# KiCad board Proyecto-KiCAD.kicad_pcb (continued)
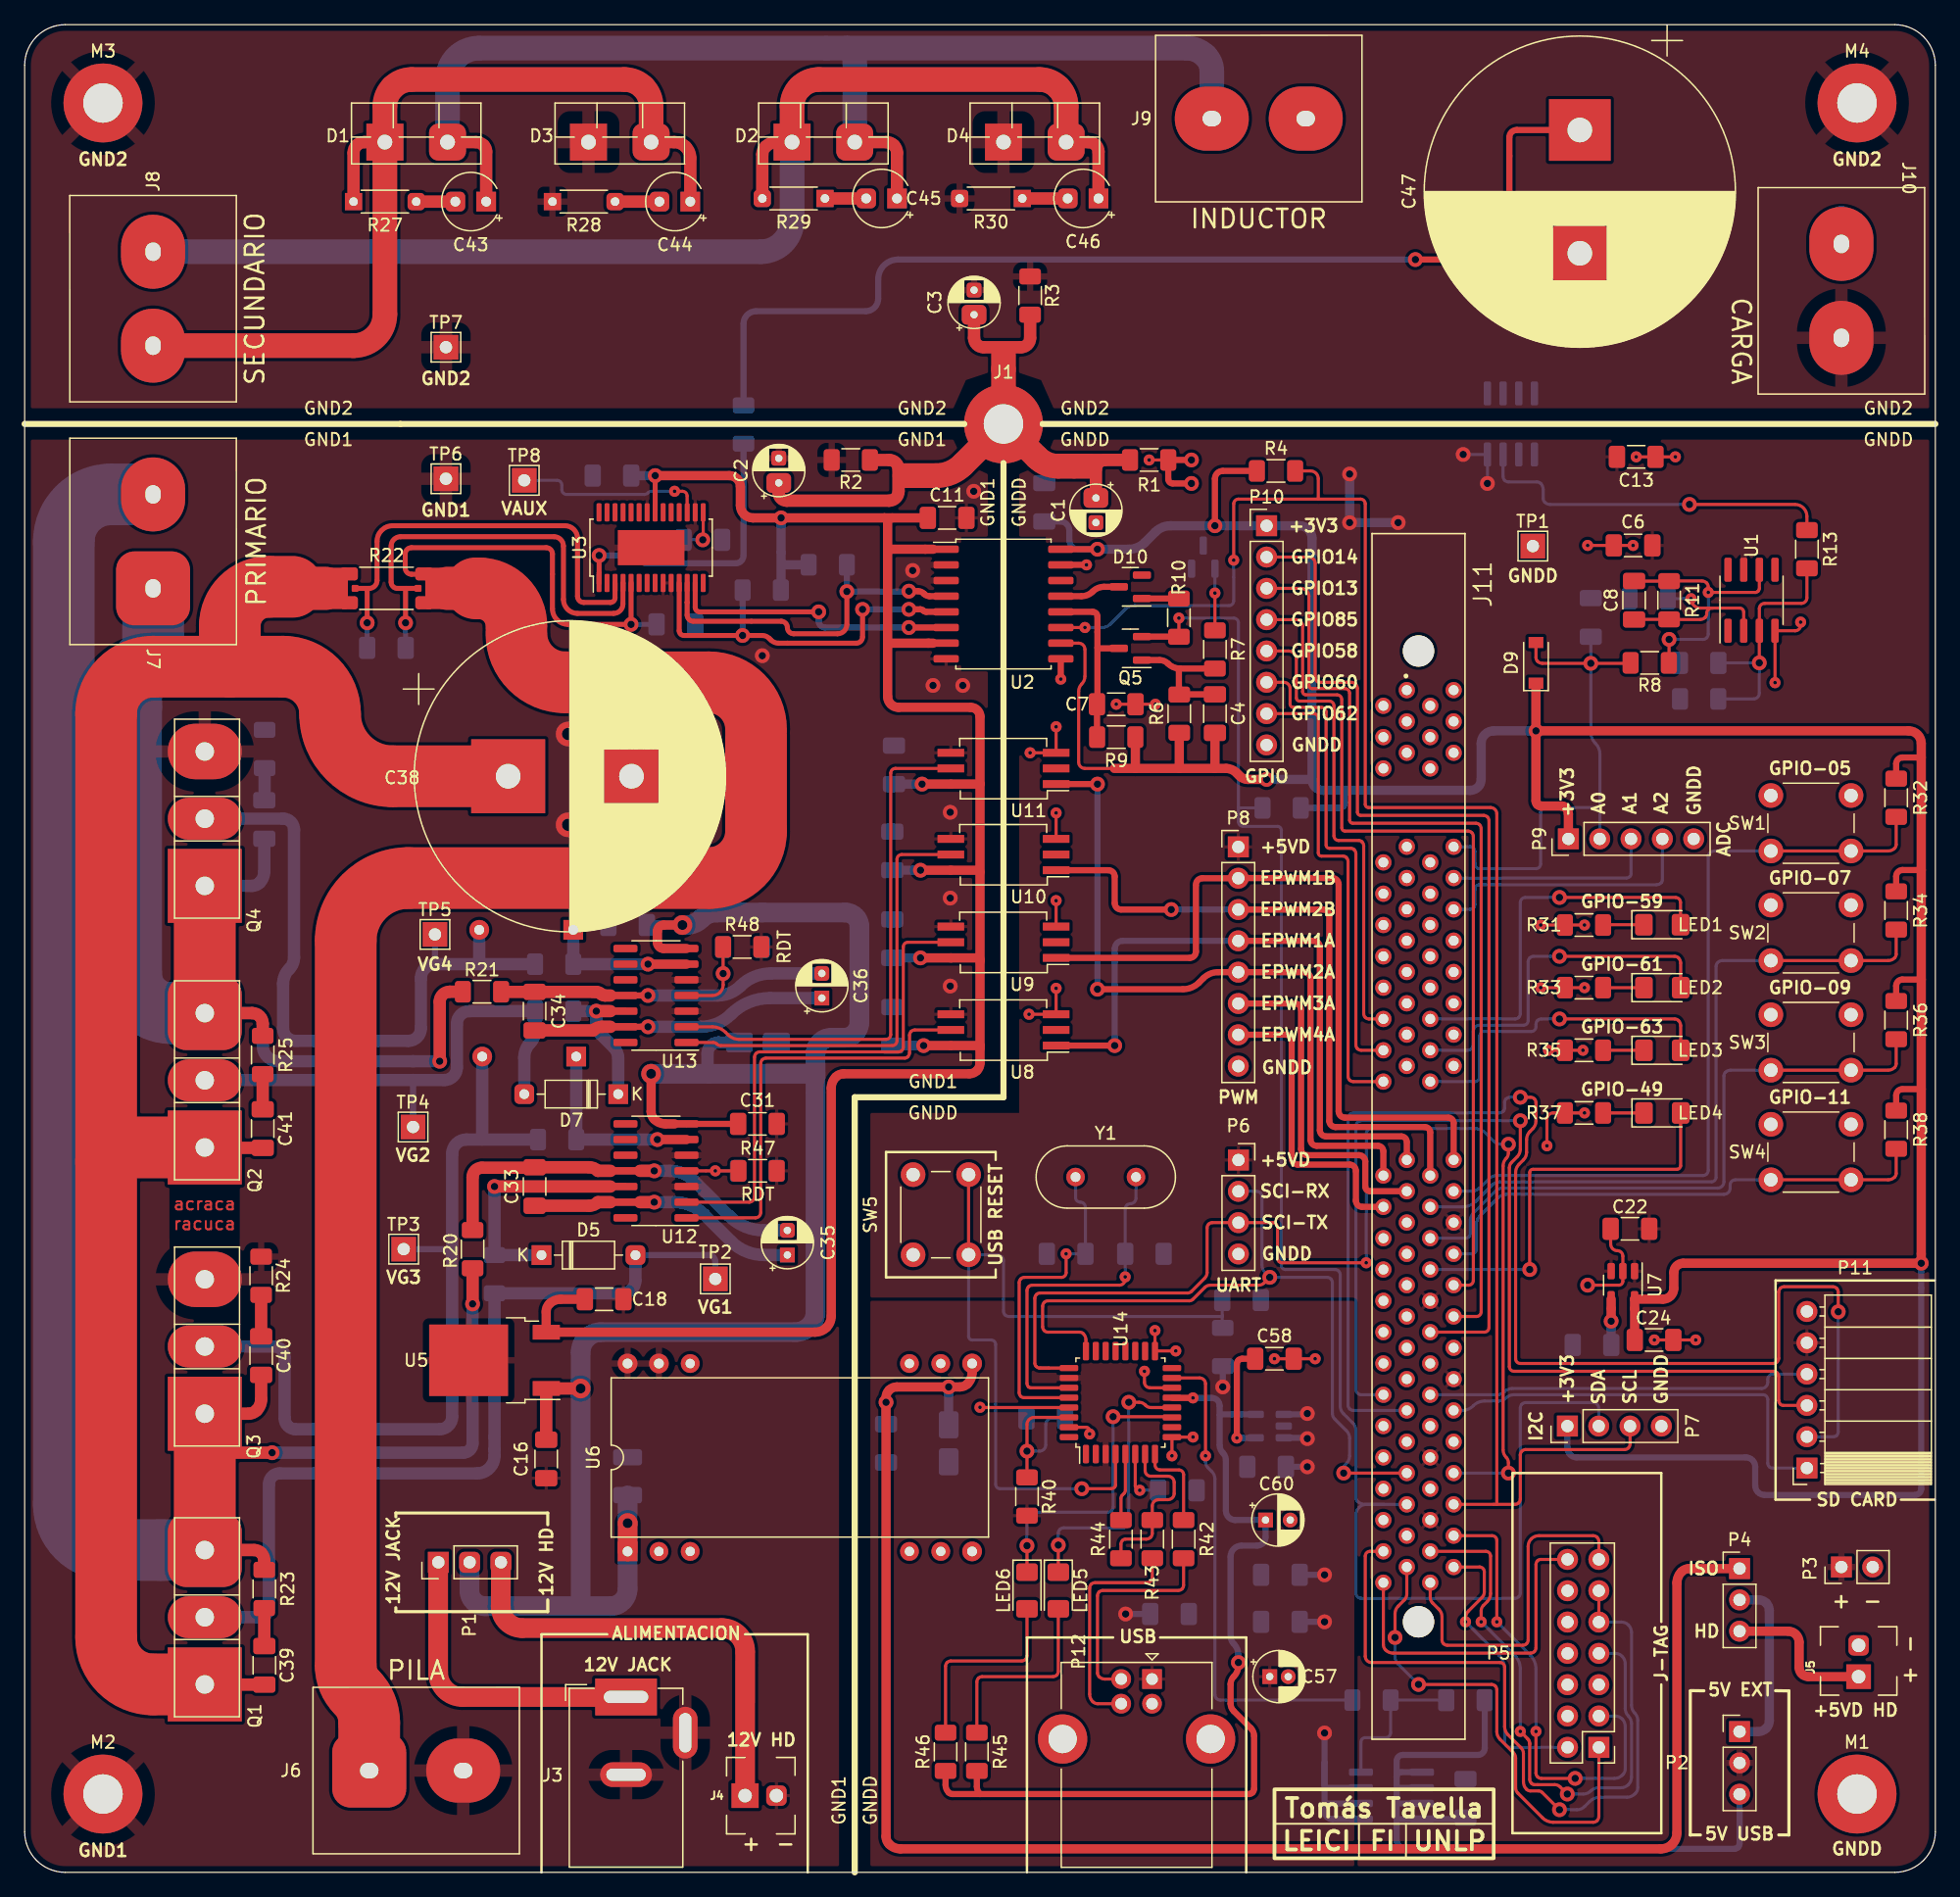
[diagram p0: board, top side]
## Footprints (pads in the part's own frame, mm; a bottom-side part is the same pattern mirrored in y, then rotated) (continued)
  rrect 0.609x3.384 smd: 1(-3.454,0) 4(3.429,0)
  rrect 1.417x1.05 smd: 1(-3.048,1.168) 4(3.023,-1.168)
  rrect 1.42x1.05 smd: 1(-3.048,-1.168) 4(3.023,1.168)
  rrect 0.559x0.559 smd: 2(-2.565,0) 3(2.541,0)
SO-14_3.9x8.65mm_P1.27mm
  rrect 1.95x0.6 smd: 1(-2.475,3.81) 2(-2.475,2.54) 3(-2.475,1.27) 4(-2.475,0) 5(-2.475,-1.27) 6(-2.475,-2.54) 7(-2.475,-3.81) 8(2.475,-3.81) 9(2.475,-2.54) 10(2.475,-1.27) 11(2.475,0) 12(2.475,1.27) 13(2.475,2.54) 14(2.475,3.81)
SOIC-8_3.9x4.9mm_P1.27mm
  rrect 1.95x0.6 smd: 1(-2.475,1.905) 2(-2.475,0.635) 3(-2.475,-0.635) 4(-2.475,-1.905) 5(2.475,-1.905) 6(2.475,-0.635) 7(2.475,0.635) 8(2.475,1.905)
SOIC-16W_7.5x10.3mm_P1.27mm
  rrect 2.05x0.6 smd: 1(-4.65,4.445) 2(-4.65,3.175) 3(-4.65,1.905) 4(-4.65,0.635) 5(-4.65,-0.635) 6(-4.65,-1.905) 7(-4.65,-3.175) 8(-4.65,-4.445) 9(4.65,-4.445) 10(4.65,-3.175) 11(4.65,-1.905) 12(4.65,-0.635) 13(4.65,0.635) 14(4.65,1.905) 15(4.65,3.175) 16(4.65,4.445)
SOT-23
  rrect 1.475x0.6 smd: 1(-0.938,0.95) 2(-0.938,-0.95) 3(0.938,0)
SOT-23-5
  rrect 1.325x0.6 smd: 1(-1.137,0.95) 2(-1.137,0) 3(-1.137,-0.95) 4(1.137,-0.95) 5(1.137,0.95)
SSO-6_6.8x4.6mm_P1.27mm_Clearance7mm
  rect 2.16x0.64 smd: 1(-4.27,1.27) 2(-4.27,0) 3(-4.27,-1.27) 4(4.27,-1.27) 5(4.27,0) 6(4.27,1.27)
SW_PUSH_6mm
  round 2 hole 1.1: 1(0,0) 1(6.5,0) 2(0,-4.5) 2(6.5,-4.5)
TE_5390213-1
  round 2.54 hole 2.54 unplated: (-39.37,0) (39.37,0)
  round 1.318 hole 0.81: 1(-36.195,-0.95) 2(-34.925,-2.85) 3(-33.655,-0.95) 4(-32.385,-2.85) 5(-31.115,-0.95) 6(-29.845,-2.85) 7(-23.495,-0.95) 8(-22.225,-2.85) 9(-20.955,-0.95) 10(-19.685,-2.85) 11(-18.415,-0.95) 12(-17.145,-2.85) 13(-15.875,-0.95) 14(-14.605,-2.85) 15(-13.335,-0.95) 16(-12.065,-2.85) 17(-10.795,-0.95) 18(-9.525,-2.85) 19(-8.255,-0.95) 20(-6.985,-2.85) 21(-5.715,-0.95) 22(-4.445,-2.85) 23(1.905,-0.95) 24(3.175,-2.85) 25(4.445,-0.95) 26(5.715,-2.85) 27(6.985,-0.95) 28(8.255,-2.85) 29(9.525,-0.95) 30(10.795,-2.85) 31(12.065,-0.95) 32(13.335,-2.85) 33(14.605,-0.95) 34(15.875,-2.85) 35(17.145,-0.95) 36(18.415,-2.85) 37(19.685,-0.95) 38(20.955,-2.85) 39(22.225,-0.95) 40(23.495,-2.85) 41(24.765,-0.95) 42(26.035,-2.85) 43(27.305,-0.95) 44(28.575,-2.85) 45(29.845,-0.95) 46(31.115,-2.85) 47(32.385,-0.95) 48(33.655,-2.85) 49(34.925,-0.95) 50(36.195,-2.85) 51(-36.195,2.85) 52(-34.925,0.95) 53(-33.655,2.85) 54(-32.385,0.95) 55(-31.115,2.85) 56(-29.845,0.95) 57(-23.495,2.85) 58(-22.225,0.95) 59(-20.955,2.85) 60(-19.685,0.95) 61(-18.415,2.85) 62(-17.145,0.95) 63(-15.875,2.85) 64(-14.605,0.95) 65(-13.335,2.85) 66(-12.065,0.95) 67(-10.795,2.85) 68(-9.525,0.95) 69(-8.255,2.85) 70(-6.985,0.95) 71(-5.715,2.85) 72(-4.445,0.95) 73(1.905,2.85) 74(3.175,0.95) 75(4.445,2.85) 76(5.715,0.95) 77(6.985,2.85) 78(8.255,0.95) 79(9.525,2.85) 80(10.795,0.95) 81(12.065,2.85) 82(13.335,0.95) 83(14.605,2.85) 84(15.875,0.95) 85(17.145,2.85) 86(18.415,0.95) 87(19.685,2.85) 88(20.955,0.95) 89(22.225,2.85) 90(23.495,0.95) 91(24.765,2.85) 92(26.035,0.95) 93(27.305,2.85) 94(28.575,0.95) 95(29.845,2.85) 96(31.115,0.95) 97(32.385,2.85) 98(33.655,0.95) 99(34.925,2.85) 100(36.195,0.95)
TestPoint_THTPad_2.0x2.0mm_Drill1.0mm
  rect 2x2 hole 1: 1(0,0)
TO-220F-2_Vertical
  rect 3x3 hole 1.2: 1(0,0)
  rrect 3x3 hole 1.2: 2(5.08,0)
TO-247-3_Vertical
  rect 6x6 hole 1.5: 1(0,0)
  oval 3.4x6 hole 1.5: 2(5.45,0)
  oval 4.5x6 hole 1.5: 3(10.9,0)
TO-247-3_Vertical#2
  rect 6x6 hole 1.5: 1(0,0)
  oval 3.4x6 hole 1.5: 2(5.45,0)
  rrect 6x6 hole 1.5: 3(10.9,0)
TO-252-2
  rect 3.05x2.75 smd: (0.425,1.525) (0.425,-1.525) (3.775,1.525) (3.775,-1.525)
  rect 2.2x1.2 smd: 1(-4.2,2.28) 3(-4.2,-2.28)
  rect 6.4x5.8 smd: 2(2.1,0)
USB_B_Lumberg_2411_02_Horizontal
  rect 1.6x1.6 hole 0.95: 1(0,0)
  round 1.6 hole 0.95: 2(0,-2.5) 3(2,-2.5) 4(2,0)
  round 4 hole 2.3: 5(4.86,4.75) 5(4.86,-7.25)

## Nets
+3V3: C4.1 C10.1 C24.1 D9.1 P7.1 P9.1 P10.1 R4.1 R5.1 R6.1 R9.2 R32.2 R34.2 R36.2 R38.2 U2.10 U2.16 U7.5
+5VD: C6.1 C13.1 C22.1 J11.77 J11.82 J11.87 J11.92 J11.96 P2.2 P3.1 P6.1 P8.1 P11.5 U1.7 U4.8 U7.1 U7.3
+5VP: C11.1 C15.1 C18.1 C25.1 C26.1 C27.1 C28.1 R15.1 R49.1 U2.1 U2.7 U3.21 U5.3 U8.6 U9.6 U10.6 U11.6
/Fuentes/+5VD Header: J5.1 P4.3
/Fuentes/+5VD ISO: C20.1 C21.1 P4.1 U6.13
/Fuentes/+5VUSB: C48.1 C49.1 P2.3 Q6.5 Q6.6 Q6.7 Q6.8
/Fuentes/VDDA Header: J4.1 P1.3
/Fuentes/VDDA Jack: J3.1 P1.1
/Placa DSP/USB-UART/3V3OUT: C61.2 U14.6
/Placa DSP/USB-UART/AVCC: C59.2 R40.1 U14.30
/Placa DSP/USB-UART/VCCIO: C60.1 R45.1 R46.1 U14.13 U15.5
GND1: C2.2 C11.2 C12.2 C14.2 C15.2 C16.2 C17.2 C18.2 C19.2 C25.2 C26.2 C27.2 C28.2 C29.2 C30.2 C31.1 C32.1 C38.2 J3.2 J3.3 J4.2 J6.2 M2.2 Q3.3 Q4.3 R2.2 R24.1 R26.1 R47.2 R48.2 TP6.1 U2.2 U2.3 U2.8 U3.9 U3.10 U3.16 U3.22 U3.29 U5.2 U6.23 U6.24 U8.4 U9.4 U10.4 U11.4 U12.3 U12.5 U13.3 U13.5
GND2: C3.2 C47.2 D3.1 D4.1 J10.2 M3.3 M4.4 R3.1 R28.1 R30.2 TP7.1
GNDD: C1.2 C5.2 C6.2 C7.2 C9.2 C10.2 C13.2 C20.2 C21.2 C22.2 C23.2 C24.2 C49.2 C50.2 C51.2 C52.2 C53.2 C54.1 C55.1 C56.1 C57.2 C58.2 C59.1 C60.2 C61.1 D11.3 J5.2 J11.6 J11.8 J11.10 J11.12 J11.14 J11.27 J11.37 J11.47 J11.56 J11.58 J11.60 J11.62 J11.64 M1.1 P3.2 P5.4 P5.8 P5.10 P5.12 P6.4 P7.4 P8.8 P9.5 P10.8 P11.6 P12.4 P12.5 R1.2 R12.2 R14.1 R31.2 R33.2 R35.2 R37.2 SW1.1 SW2.1 SW3.1 SW4.1 SW5.1 TP1.1 U1.4 U2.9 U2.15 U4.5 U4.6 U6.12 U7.2 U8.3 U9.3 U10.3 U11.3 U14.9 U14.14 U14.17 U14.29 U14.31 U15.2
VDDA: C16.1 C17.1 C19.1 C31.2 C32.2 P1.2 U5.1 U6.1 U12.7 U13.7
/Conversor/GATE1: D5.2 Q1.2 R16.2 TP2.1
/Conversor/GATE2: D7.2 Q2.2 R18.2 TP4.1
/Conversor/GATE3: D6.2 Q3.2 R17.2 TP3.1
/Conversor/GATE4: D8.2 Q4.2 R19.2 TP5.1
/Conversor/IFC+: C37.1 R22.2 U3.4
/Conversor/IFC-: C37.2 R22.3 U3.3
/Conversor/ILF+: J9.2 U4.1 U4.2
/Conversor/S1D3: C40.2 J7.1 Q1.3 Q3.1 R20.2 R23.1
/Conversor/S2D4: C42.2 J7.2 Q2.3 Q4.1 R21.2 R25.1
/Conversor/VFC: C12.1 J6.1 R22.1 U3.5
/Conversor/VLOAD/ILF-: C47.1 J10.1 R50.1 U4.3 U4.4
/Drivers y Optos//PWM3: J11.73 P8.2 U9.1
/Drivers y Optos//PWM4: J11.24 P8.5 U11.1
/Drivers y Optos/PWM1: J11.23 P8.4 U8.1
/Drivers y Optos/PWM2: J11.74 P8.3 U10.1
/Fuentes/extern +5VD: P2.1 P4.2
/Placa DSP/Socket Interfaces//SPI-STE: J11.89 P11.1
/Placa DSP/Socket Interfaces/ADCIN-A0: C5.1 D9.2 J11.57 P9.2 R8.2
/Placa DSP/Socket Interfaces/ADCIN-A1: J11.59 P9.3
/Placa DSP/Socket Interfaces/ADCIN-A2: J11.61 P9.4
/Placa DSP/Socket Interfaces/ADCIN-A3: J11.63
/Placa DSP/Socket Interfaces/ADCIN-A4: J11.65
/Placa DSP/Socket Interfaces/ADCIN-A5: J11.67
/Placa DSP/Socket Interfaces/ADCIN-A6: J11.69
/Placa DSP/Socket Interfaces/ADCIN-A7: J11.71
/Placa DSP/Socket Interfaces/ADCIN-B0: J11.7
/Placa DSP/Socket Interfaces/ADCIN-B1: J11.9
/Placa DSP/Socket Interfaces/ADCIN-B2: J11.11
/Placa DSP/Socket Interfaces/ADCIN-B3: J11.13
/Placa DSP/Socket Interfaces/ADCIN-B4: J11.15
/Placa DSP/Socket Interfaces/ADCIN-B5: J11.17
/Placa DSP/Socket Interfaces/ADCIN-B6: J11.19
/Placa DSP/Socket Interfaces/ADCIN-B7: J11.21
/Placa DSP/Socket Interfaces/EMU0: J11.100 P5.13
/Placa DSP/Socket Interfaces/EMU1: J11.50 P5.14
/Placa DSP/Socket Interfaces/EPWM3A: J11.25 P8.6
/Placa DSP/Socket Interfaces/EPWM4A: J11.26 P8.7
/Placa DSP/Socket Interfaces/EPWM5A: J11.28
/Placa DSP/Socket Interfaces/EPWM6A: J11.29
/Placa DSP/Socket Interfaces/eQEPA-1: J11.40
/Placa DSP/Socket Interfaces/eQEPB-1: J11.90
/Placa DSP/Socket Interfaces/eQEPI-1: J11.91
/Placa DSP/Socket Interfaces/eQEPS-1: J11.41
/Placa DSP/Socket Interfaces/GPIO-05: J11.75 R32.1 SW1.2
/Placa DSP/Socket Interfaces/GPIO-07: J11.76 R34.1 SW2.2
/Placa DSP/Socket Interfaces/GPIO-09: J11.78 R36.1 SW3.2
/Placa DSP/Socket Interfaces/GPIO-11: J11.79 R38.1 SW4.2
/Placa DSP/Socket Interfaces/GPIO-12: J11.33
/Placa DSP/Socket Interfaces/GPIO-13: J11.83 P10.3
/Placa DSP/Socket Interfaces/GPIO-14: J11.84 P10.2
/Placa DSP/Socket Interfaces/GPIO-15: J11.34
/Placa DSP/Socket Interfaces/GPIO-24: J11.35
/Placa DSP/Socket Interfaces/GPIO-25: J11.85
/Placa DSP/Socket Interfaces/GPIO-26: J11.36
/Placa DSP/Socket Interfaces/GPIO-27: J11.86
/Placa DSP/Socket Interfaces/GPIO-30: J11.44
/Placa DSP/Socket Interfaces/GPIO-34: J11.46
/Placa DSP/Socket Interfaces/GPIO-49: J11.80 LED4.2
/Placa DSP/Socket Interfaces/GPIO-58: J11.18 P10.5
/Placa DSP/Socket Interfaces/GPIO-59: J11.68 LED1.2
/Placa DSP/Socket Interfaces/GPIO-60: J11.20 P10.6
/Placa DSP/Socket Interfaces/GPIO-61: J11.70 LED2.2
/Placa DSP/Socket Interfaces/GPIO-62: J11.22 P10.7
/Placa DSP/Socket Interfaces/GPIO-63: J11.72 LED3.2
/Placa DSP/Socket Interfaces/GPIO-84: J11.31
/Placa DSP/Socket Interfaces/GPIO-85: J11.81 P10.4
/Placa DSP/Socket Interfaces/GPIO-86: J11.32
/Placa DSP/Socket Interfaces/I2CSCL: J11.95 P7.3 R4.2 U2.11
/Placa DSP/Socket Interfaces/I2CSDA: J11.45 P7.2 Q5.2 R5.2 R10.1
/Placa DSP/Socket Interfaces/SCI-RX: J11.43 P6.2 U14.24
/Placa DSP/Socket Interfaces/SCI-TX: J11.93 P6.3 U14.25
/Placa DSP/Socket Interfaces/SPI-CLK: J11.39 P11.2
/Placa DSP/Socket Interfaces/SPI-SIMO: J11.38 P11.3
/Placa DSP/Socket Interfaces/SPI-SOMI: J11.88 P11.4
/Placa DSP/Socket Interfaces/TCK: J11.48 P5.9 P5.11
/Placa DSP/Socket Interfaces/TDI: J11.97 P5.3
/Placa DSP/Socket Interfaces/TDO: J11.98 P5.7
/Placa DSP/Socket Interfaces/TMS: J11.49 P5.1
/Placa DSP/Socket Interfaces/TRSTn: J11.99 P5.2
/Placa DSP/USB-UART/DM: P12.2 R42.1
/Placa DSP/USB-UART/DP: P12.3 R43.1
/Placa DSP/USB-UART/PWREN#: R39.1 U14.15
/Placa DSP/USB-UART/RESET#: C50.1 R41.1 SW5.2 U14.4
/Placa DSP/USB-UART/RSTOUT#: R44.2 U14.5
/Placa DSP/USB-UART/RXLED#: LED6.1 U14.11
/Placa DSP/USB-UART/TXLED#: LED5.1 U14.12
/Placa DSP/USB-UART/U5V: C53.1 C54.2 C55.2 C56.2 C57.1 P12.1 Q6.1 Q6.2 Q6.3 R40.2 R41.2 U14.3 U14.26 U15.1 U15.3
/Placa DSP/USB-UART/USBDM: R42.2 U14.8
/Placa DSP/USB-UART/USBDP: R43.2 R44.1 U14.7
/Placa DSP/USB-UART/XTIN: C51.1 U14.27 Y1.1
/Placa DSP/USB-UART/XTOUT: C52.1 U14.28 Y1.2
Net-(C1-Pad1): C1.1 C2.1 C3.1 J1.1 R1.1 R2.1 R3.2
Net-(C4-Pad2): C4.2 Q5.1 R6.2 R7.1
Net-(C7-Pad1): C7.1 Q5.3 R9.1 U2.12
Net-(C8-Pad1): C8.1 R11.1 R14.2 U1.2
Net-(C8-Pad2): C8.2 R8.1 R11.2 U1.6
Net-(C9-Pad1): C9.1 R12.1 R13.2 U1.3
Net-(C14-Pad1): C14.1 U3.15
Net-(C23-Pad1): C23.1 U7.4
Net-(C29-Pad1): C29.1 R47.1 U12.4
Net-(C30-Pad1): C30.1 R48.1 U13.4
Net-(C33-Pad1): C33.1 C35.1 U12.13
Net-(C33-Pad2): C33.2 C35.2 R20.1 U12.11
Net-(C34-Pad1): C34.1 C36.1 U13.13
Net-(C34-Pad2): C34.2 C36.2 R21.1 U13.11
Net-(C38-Pad1): C38.1 C39.2 C41.2 Q1.1 Q2.1 R22.4
Net-(C39-Pad1): C39.1 R23.2
Net-(C40-Pad1): C40.1 R24.2
Net-(C41-Pad1): C41.1 R25.2
Net-(C42-Pad1): C42.1 R26.2
Net-(C43-Pad1): C43.1 C45.1 D1.2 D2.2 J9.1
Net-(C43-Pad2): C43.2 R27.2
Net-(C44-Pad1): C44.1 D1.1 D3.2 J8.1 R27.1
Net-(C44-Pad2): C44.2 R28.2
Net-(C45-Pad2): C45.2 R29.1
Net-(C46-Pad1): C46.1 D2.1 D4.2 J8.2 R29.2
Net-(C46-Pad2): C46.2 R30.1
Net-(C48-Pad2): C48.2 Q6.4 R39.2
Net-(C58-Pad1): C58.1 U15.4
Net-(D5-Pad1): D5.1 R16.1 U12.12
Net-(D6-Pad1): D6.1 R17.1 U12.6
Net-(D7-Pad1): D7.1 R18.1 U13.12
Net-(D8-Pad1): D8.1 R19.1 U13.6
Net-(D10-Pad1): D10.1 R10.2
Net-(D10-Pad3): D10.3 U2.13
Net-(D11-Pad1): D11.1 R7.2
Net-(LED1-Pad1): LED1.1 R31.1
Net-(LED2-Pad1): LED2.1 R33.1
Net-(LED3-Pad1): LED3.1 R35.1
Net-(LED4-Pad1): LED4.1 R37.1
Net-(LED5-Pad2): LED5.2 R45.2
Net-(LED6-Pad2): LED6.2 R46.2
Net-(R13-Pad1): R13.1 U4.7
Net-(R15-Pad2): R15.2 U2.4 U3.12
Net-(R49-Pad2): R49.2 U2.5 U3.11
Net-(R50-Pad2): R50.2 U3.1
Net-(TP8-Pad1): TP8.1 U3.17
Net-(U2-Pad6): U2.6 U3.13
Net-(U10-Pad5): U10.5 U13.1
Net-(U11-Pad5): U11.5 U13.2
Net-(U12-Pad1): U8.5 U12.1
Net-(U12-Pad2): U9.5 U12.2

Pads without a net: D10 2; D11 2; J11 1 2 3 4 5 16 30 42 51 52 53 54 55 66 94; P5 5 6; U1 1 5 8; U2 14; U3 2 6 7 8 14 18 19 20 23 24 25 26 27 28; U6 2 3 10 11 14 15 22; U8 2; U9 2; U10 2; U11 2; U12 8 9 10 14; U13 8 9 10 14; U14 1 2 10 16 18 19 20 21 22 23 32

## Via types
v1: diameter 1.2, hole 0.6, Top to Bottom, 94 vias
v2: diameter 2, hole 1, Top to Bottom, 4 vias
v3: diameter 1.6, hole 0.8, Top to Bottom, 4 vias
v4: diameter 0.9, hole 0.3, Top to Bottom, 56 vias

## Routing (per net, layer and track width the routed paths; a pad name or vN(x,y) marks a point on that pad's centre or on a via; arc(x,y) is an arc through that point)
+3V3: length 305.6
  Top w0.25: U2.10 85.47,99.7 arc(85.83,99.55) 85.98,99.19 85.98,97.01 arc(85.91,96.67) 85.73,96.39 arc(85.54,96.11) 85.47,95.78 85.47,90.04 arc(85.62,89.68) 85.98,89.54 88.37,89.54
  Top w0.5: 151.77,61.81 151.77,63.02 arc(151.91,63.38) 152.27,63.53 153.92,63.53 ; 153.92,81.29 152.27,81.29 arc(151.91,81.15) 151.77,80.79 151.77,79.58 ; 153.92,90.42 152.27,90.42 arc(151.91,90.28) 151.77,89.92 R32.2 ; R4.1 97.16,113.67 arc(96.71,113.48) 96.52,113.03 v1(96.52,109.22) ; 151.77,70.7 151.77,71.91 arc(151.91,72.27) 152.27,72.42 153.92,72.42 ; U2.16 v1(87,107.32) ; 130.56,43.21 arc(130.56,43.19) C24.1
  Top w0.75: R6.1 93.63,89.54 ; v1(122.56,92.58) 122.56,86.92 arc(122.59,86.75) 122.68,86.61 arc(122.82,86.52) 122.99,86.49 124.66,86.49 arc(124.83,86.45) 124.97,86.36 arc(125.13,86.12) 125.19,85.84 P9.1 ; v1(122.56,92.58) 152.78,92.58 arc(153.5,92.29) 153.8,91.57 v1(153.8,49.4) 134.49,49.4 arc(133.95,49.18) 133.73,48.64 133.73,47.37 arc(133.47,46.75) 132.85,46.49 U7.5 130.56,45.72 130.56,43.21 ; v1(122.56,92.58) D9.1 ; R9.2 90.07,89.54 ; v1(100.71,88.65) 99.19,88.65 arc(98.84,88.72) 98.54,88.92 98.28,89.18 arc(97.88,89.44) 97.41,89.54 88.37,89.54 ; C4.1 96.52,89.54
  Bottom w0.5: R5.1 106.65,86.33 arc(106.94,86.45) 107.06,86.74 107.06,87.76 ; C10.1 83.99,109.56 arc(84.5,109.35) 84.71,108.84 84.71,108.08 arc(84.93,107.54) 85.47,107.32 v1(87,107.32) ; P7.1 125.11,34.41 arc(125.33,33.88) 125.86,33.66 139.57,33.66 arc(140.11,33.43) 140.34,32.89 140.34,31.37 arc(140.56,30.83) 141.1,30.61 153.29,30.61 arc(153.65,30.76) 153.8,31.12 v1(153.8,49.4)
  Bottom w0.75: 104.39,88.65 v1(100.71,88.65) ; 104.39,88.65 104.39,108.2 arc(104.1,108.92) 103.38,109.22 P10.1 92.92,109.22 arc(92.26,109.09) 91.69,108.71 90.84,107.85 arc(90.24,107.46) 89.54,107.32 v1(87,107.32) ; 104.39,88.65 arc(104.65,88.02) 105.28,87.76 117.22,87.76 arc(117.85,88.02) 118.11,88.65 118.11,91.57 arc(118.41,92.29) 119.13,92.58 v1(122.56,92.58)
+5VD: length 12.2
  Bottom w0.25: U4.8 v1(116.65,115) ; 118.62,115 v1(118.62,112.65)
  Bottom w0.75: v1(111.38,109.47) v1(107.44,109.47) v1(107.44,113.41)
+5VP: length 188.6
  Top w0.25: 77.16,81.28 arc(77.33,81.25) 77.47,81.15 ; 77.16,74.17 arc(77.33,74.13) 77.47,74.04
  Top w0.4: v1(51.13,113.28) 51.13,110.49
  Top w0.5: 42.29,43.82 U5.3 ; U2.1 73.03,107.32 ; U2.7 73.28,99.7
  Top w0.75: v1(72.64,81.28) U10.6 77.16,81.28 ; C11.1 69.72,109.86 ; 77.47,67.06 77.47,88.27 ; 77.47,67.06 77.47,65.64 arc(77.4,65.31) 77.22,65.02 arc(76.93,64.84) 76.6,64.77 66.4,64.77 arc(66.07,64.7) 65.79,64.52 arc(65.5,64.09) 65.41,63.6 65.41,45.12 arc(65.31,44.62) 65.02,44.2 arc(64.6,43.91) 64.1,43.82 42.3,43.82 U5.3 ; 77.47,67.06 U8.6 v1(72.9,67.06) ; 69.72,109.86 v1(61.34,109.86) 59.05,109.86 arc(58.34,110.15) 58.04,110.87 58.04,112.4 arc(57.78,113.02) 57.15,113.28 v1(51.13,113.28) ; 69.72,109.86 arc(69.9,109.78) 69.98,109.6 69.98,107.06 ; 77.47,88.27 77.47,93.73 arc(77.25,94.26) 76.71,94.49 70.87,94.49 arc(70.24,94.75) 69.98,95.38 69.98,99.7 ; 77.47,88.27 U11.6 v1(72.77,88.27) ; 77.16,74.17 U9.6 v1(72.64,74.17) ; 73.66,107.32 70.23,107.32 arc(70.05,107.24) 69.98,107.06 ; 69.98,99.7 69.98,107.06 ; 69.98,99.7 73.66,99.7 ; 42.29,43.82 42.29,45.49 arc(42.36,45.82) 42.55,46.1 arc(42.97,46.38) 43.46,46.48 C18.1
  Bottom w0.75: v1(61.34,109.86) 61.34,104.05 ; 61.4,106.05 R15.1 ; v1(72.64,81.28) 70.36,81.28 arc(70.36,81.28) C27.1 ; C15.1 v1(51.13,113.28) ; v1(72.64,74.17) C26.1 ; v1(72.77,88.27) 70.5,88.27 arc(70.5,88.26) C28.1 ; v1(72.9,67.06) 70.37,67.06 arc(70.37,67.05) C25.1
/Fuentes/+5VD Header: length 12.6
  Top w0.75: P4.3 143,19.56 arc(143.63,19.3) 143.89,18.67 143.89,16.64 arc(144.11,16.1) 144.65,15.88 148.72,15.88
/Fuentes/+5VD ISO: length 140.8
  Top w0.75: P4.1 134.98,24.64 arc(134.65,24.57) 134.37,24.38 arc(134.08,23.96) 133.99,23.46 133.99,3.21 arc(133.89,2.71) 133.6,2.29 arc(133.18,2) 132.68,1.91 71.02,1.91 arc(70.53,2) 70.1,2.29 arc(69.92,2.57) 69.85,2.9 v1(69.85,38.13) 69.85,38.5 arc(69.92,38.83) 70.1,39.12 arc(70.39,39.3) 70.72,39.37 v1(74.93,39.37) 75.84,39.37 arc(76.17,39.44) 76.45,39.62 arc(76.73,40.04) 76.83,40.53 U6.13
  Bottom w0.75: C20.1 v1(69.85,38.13) ; C21.1 v1(74.93,39.37)
/Fuentes/+5VUSB: length 62.5
  Bottom w0.5: 111.25,4.32 Q6.8 116.71,4.32 C49.1 ; 111.25,4.32 111.25,2.67 arc(111.48,2.13) 112.01,1.91 138.63,1.91 arc(138.8,1.94) 138.94,2.03 arc(139.03,2.17) 139.06,2.34 P2.3 ; 111.25,4.32 111.25,5.59 ; C48.1 118.4,10.07 arc(118.24,9.69) 117.86,9.53 111.76,9.53 arc(111.4,9.38) 111.25,9.02 111.25,7.75 ; Q6.6 111.25,6.86 ; 111.25,6.86 111.25,7.75 ; 111.25,6.86 111.25,5.59 ; 111.25,7.75 arc(111.36,8.02) 111.63,8.13 Q6.5 ; Q6.7 111.25,5.59
/Fuentes/VDDA Header: length 37
  Top w1.6: P1.3 38.61,21.55 arc(39.12,20.32) 40.34,19.81 56.54,19.81 arc(57.87,19.26) 58.43,17.93 ; 58.43,17.78 J4.1
/Fuentes/VDDA Jack: length 25.3
  Top w1: P1.1 33.53,25.13
  Top w1.6: J3.1 35.52,14.22 arc(34.11,14.81) 33.53,16.21 33.53,25.13
/Placa DSP/USB-UART/3V3OUT: length 4.6
  Top w0.25: U14.6 90.06,31.35 arc(90.17,31.09) v4(90.42,30.99)
  Bottom w0.25: C61.2 v4(90.42,30.99)
/Placa DSP/USB-UART/AVCC: length 13.3
  Top w0.25: 81.28,32.03 v1(81.28,34.16) 81.28,36.32 arc(81.45,36.73) 81.86,36.9 U14.30
  Bottom w0.25: v1(81.28,34.16) 82.3,34.16 arc(82.66,34.31) 82.8,34.67 82.8,36.32 arc(82.95,36.68) 83.31,36.83 C59.2
/Placa DSP/USB-UART/VCCIO: length 73.3
  Top w0.25: 93.05,38.48 U14.13
  Top w0.5: R46.1 74.68,7.09 arc(74.74,6.76) 74.93,6.48 arc(75.07,6.38) 75.24,6.35 77.47,6.35 ; v4(94.74,38.48) 93.05,38.48 ; v1(98.43,17.02) 98.43,16.79 arc(98.33,16.3) 98.04,15.88 arc(97.86,15.59) 97.79,15.26 97.79,13.69 arc(97.86,13.36) 98.04,13.08 99.44,11.68 arc(99.63,11.4) 99.7,11.07 99.7,6.78 arc(99.66,6.62) 99.57,6.48 arc(99.43,6.38) 99.26,6.35 77.47,6.35 ; R45.1 77.22,6.96 arc(77.28,6.63) 77.47,6.35
  Bottom w0.25: 96.96,37.15 arc(96.92,37.13) 96.9,37.08
  Bottom w0.5: v1(98.43,17.02) 98.43,17.62 arc(98.33,18.12) 98.04,18.54 arc(97.86,18.82) 97.79,19.16 97.79,25.61 arc(98.05,26.24) 98.68,26.5 99.95,26.5 arc(100.43,26.7) 100.63,27.18 C60.1 98.17,28.58 arc(97.63,28.8) 97.41,29.34 97.41,33.42 arc(97.34,33.75) 97.16,34.04 arc(96.97,34.32) 96.9,34.65 96.9,37.85 arc(96.72,38.3) 96.27,38.48 v4(94.74,38.48) ; U15.5 96.96,37.15
GND1:
  vias: v1(59.82,98.68) v1(72.01,105.59) v1(73.66,96.27) v1(75.06,85.98) v1(75.06,79.02) v1(75.06,71.88) v1(76.07,96.27) v1(76.96,112.01) v2(44.07,92.33) v2(44.07,84.96) v2(54.48,92.33) v2(54.48,84.96)
GNDD: length 88.8
  Top w0.25: 83.64,76.73 83.64,78.69 ; v4(126.49,71.76) R33.2 v4(122.94,71.76) ; 91.68,42.29 v4(93.34,42.29) ; C13.2 v4(130.68,114.81) ; v4(91.69,94.74) C7.2 v4(88.52,94.74) ; v4(126.49,61.6) R37.2 123.95,61.6 arc(123.59,61.45) 123.44,61.09 v4(123.44,58.93) ; 83.64,90.83 83.64,92.79 ; 83.64,69.62 83.64,71.57 ; v4(101.35,41.66) C58.2 v4(104.65,41.66) ; v4(126.49,76.84) R31.2 v4(122.94,76.84) ; 84.69,37.7 77.49,37.7 arc(77.48,37.71) v4(77.47,37.72) ; 83.61,90.81 v4(81.53,90.81) ; U14.31 86.07,36.1 arc(86.28,36.02) 86.36,35.81 v4(86.36,35.56) ; v4(90.81,40.64) 90.81,39.75 arc(90.94,39.43) 91.26,39.3 U14.14 ; 83.53,69.6 v4(81.45,69.6) ; v1(126.75,47.63) 129.29,47.63 arc(129.51,47.72) 129.6,47.94 U7.2 129.6,49.98 arc(129.47,50.29) 129.16,50.42 arc(128.77,50.58) 128.61,50.97 C22.2 ; U14.17 v4(91.66,43.94) ; v4(141.94,96.49) U1.4 143.58,100.7 arc(143.89,100.83) 144.02,101.15 v4(144.02,101.4) ; v4(130.43,107.62) C6.2 v4(126.75,107.62) ; R1.2 v4(91.19,114.55) ; 83.64,83.85 83.64,85.8 ; 132.3,114.81 v4(133.86,114.81) ; v4(132.16,43.18) C24.2 v4(135.51,43.18) ; v4(93.04,33.78) U14.9 94.74,35.3 arc(94.74,35.3) v4(94.74,35.31) ; v4(123.57,66.68) v4(126.37,66.68)
  Top w0.5: v1(94.62,112.65) 93.09,112.65 arc(92.84,112.75) 92.74,113 R1.2 v1(94.62,114.55) ; 84.02,98.44 v4(84.02,96.78) ; U2.15 v4(86.11,106.05)
  Bottom w0.25: 81.28,36.74 arc(81.27,36.79) C59.1
  vias: v4(83.64,92.91) v4(83.64,85.93) v4(83.64,78.81) v4(83.64,71.7)
VDDA: length 158.9
  Top w0.5: 52.71,60.71 U12.7 C31.2 ; 42.29,39.24 U5.1
  Top w0.75: v3(50.8,64.77) 50.8,61.7 arc(50.87,61.37) 51.05,61.09 arc(51.48,60.81) 51.97,60.71 52.71,60.71 ; v3(53.34,76.84) 51.82,76.84 arc(51.46,76.69) 51.31,76.33 51.31,75.44 arc(51.46,75.08) 51.82,74.93 53.67,74.93
  Top w1: U5.1 42.31,39.24 v3(45.09,39.24) ; 42.29,39.24 C16.1
  Top w1.6: v3(48.89,28.32) 48.89,26.04
  Bottom w0.75: C32.2 v3(53.34,76.84)
  Bottom w1: C19.1 56.26,67.31 arc(55.63,67.05) 55.37,66.42 55.37,64.9 arc(55.41,64.81) 55.5,64.77
  Bottom w1.6: P1.2 36.07,22.86 arc(36.44,21.96) 37.34,21.59 47.5,21.59 arc(48.49,22) 48.89,22.99 48.89,26.03 arc(48.89,26.03) U6.1 ; v3(53.34,76.84) 53.64,76.84 arc(54.3,76.97) 54.86,77.34 arc(55.43,77.72) 56.09,77.85 66.55,77.85 arc(67.36,77.52) 67.69,76.71 67.69,68.96 arc(67.32,68.06) 66.42,67.69 65.41,67.69 arc(64.51,67.32) 64.14,66.42 64.14,45.47 arc(63.65,44.3) 62.48,43.82 46.74,43.82 arc(45.57,43.33) 45.09,42.16 v3(45.09,39.24) 45.09,21.9 ; 48.89,30.57 v3(48.89,28.32) ; v3(50.8,64.77) 64.14,64.77
/Conversor/GATE1: length 70.7
  Bottom w0.25: 38.1,43.44 arc(38.1,43.44) 38.1,43.44
  Bottom w0.5: D5.2 55.47,50.06 arc(55.85,49.91) 56.01,49.53 TP2.1
  Bottom w1: 49.53,48.03 D5.2 ; 38.1,43.44 R16.2 48.49,46.96 arc(49.22,47.27) 49.53,48.01 ; 38.1,43.44 38.1,35.31 38.1,34.29 arc(38.1,34.29) 38.1,34.29 38.1,33.78 arc(37.68,32.78) 36.68,32.36 20.68,32.36 arc(20.06,32.11) 19.81,31.5 19.81,21.46 arc(19.59,20.92) 19.05,20.7 14.62,20.7 arc(14.61,20.7) Q1.2
/Conversor/GATE2: length 42.3
  Bottom w0.5: TP4.1 31.5,64.26
  Bottom w1: D7.2 40.51,66.08 arc(40.65,66.75) 41.02,67.31 arc(41.29,67.72) 41.39,68.19 R18.2 36.07,69.85 arc(35.35,69.55) 35.05,68.83 35.05,65.28 arc(34.75,64.56) 34.04,64.26 14.6,64.26
/Conversor/GATE3: length 66.2
  Bottom w0.5: TP3.1 34.67,50.55
  Bottom w1: Q3.2 20.21,42.65 arc(20.83,42.4) 21.08,41.78 21.08,36.83 arc(21.34,36.2) 21.97,35.94 33.66,35.94 arc(34.37,36.24) 34.67,36.96 34.67,58.29 arc(35.01,59.1) 35.81,59.44 R17.2 ; D6.2 37.1,59.44
/Conversor/GATE4: length 55.6
  Bottom w0.5: TP5.1 33.27,73.66
  Bottom w1: D8.2 36.86,73.66 ; R19.2 33.27,73.66 arc(32.47,73.33) 32.13,72.52 32.13,68.45 arc(31.83,67.73) 31.11,67.44 21.97,67.44 arc(21.25,67.73) 20.95,68.45 20.95,72.05 arc(21.09,72.72) 21.46,73.28 arc(21.74,73.7) 21.84,74.2 21.84,84.58 arc(21.59,85.2) 20.97,85.46 Q4.2
/Conversor/IFC+: length 37
  Top w0.4: v1(30.89,101.35) 30.89,104.09 arc(30.9,104.13) 30.94,104.14 ; 30.94,104.14 R22.2 ; 30.94,104.14 30.23,104.14 arc(29.87,104.29) 29.72,104.65 29.72,107.57 arc(29.94,108.11) 30.48,108.33 42.93,108.33 arc(43.46,108.11) 43.69,107.57 43.69,103.25 arc(44.02,102.44) 44.83,102.11 47.75,102.11 arc(48.29,102.33) 48.51,102.87 48.51,104.57 arc(48.52,104.58) U3.4
  Bottom w0.4: C37.1 v1(30.89,101.35)
/Conversor/IFC-: length 37.3
  Top w0.4: v1(27.77,101.35) 27.77,103.97 arc(27.82,104.09) 27.94,104.14 ; U3.3 47.88,103.37 arc(47.76,103.11) 47.5,103 45.34,103 arc(44.98,103.15) 44.83,103.51 44.83,108.2 arc(44.53,108.92) 43.81,109.22 29.84,109.22 arc(28.95,108.85) 28.57,107.95 28.57,104.78 arc(28.39,104.33) 27.94,104.14 ; 27.94,104.14 R22.3
  Bottom w0.4: v1(27.77,101.35) C37.2
/Conversor/S1D3: length 161
  Top w1: Q1.3 18.62,26.14 arc(18.92,26.08) 19.18,25.91 arc(19.36,25.63) 19.43,25.29 R23.1 ; v1(20.07,34.04) 15.13,34.04 ; Q3.1 18.16,37.2 arc(18.5,37.27) 18.8,37.47 arc(19.08,37.89) 19.18,38.38 C40.2 ; R20.2 v1(36.32,46.1)
  Top w5: Q3.1 Q1.3
  Bottom w1: v1(36.32,46.1) 36.32,34.8 arc(36.1,34.26) 35.56,34.04 v1(20.07,34.04)
  Bottom w5: Q1.3 6.88,26.14 arc(4.26,27.23) 3.17,29.85 3.17,107.95 arc(4.29,110.64) 6.99,111.76 10.16,111.76
/Conversor/S2D4: length 94.8
  Top w1: R25.1 19.3,68.83 arc(19.05,69.44) 18.45,69.69 Q2.3 ; R21.2 34.47,71.42 arc(33.89,71.19) 33.66,70.61 v1(33.66,65.79)
  Top w5: Q4.1 Q2.3
  Bottom w1: v1(33.66,65.79) 20.57,65.79 arc(19.68,66.16) 19.3,67.06 19.3,68.83 arc(19.05,69.44) 18.45,69.69 Q2.3 ; C42.2 19.43,81.18 arc(19.33,80.69) 19.05,80.26 arc(18.77,80.08) 18.44,80.01 Q4.1
  Bottom w5: 10.41,104.14 10.41,99.83 arc(10.25,99) 9.78,98.3 arc(8.93,97.03) 8.64,95.54 8.64,94.49 ; Q2.3 11.84,69.69 arc(9.58,70.63) 8.64,72.9 8.64,94.49 ; 8.64,94.49 8.64,95.9
/Conversor/VFC: length 208.5
  Top w0.4: U3.5 49.17,101.22 v1(49.17,101.22) 44.07,101.22 arc(43.17,101.59) 42.8,102.49 42.8,106.93 arc(42.65,107.29) 42.29,107.44 31.37,107.44 arc(31.01,107.29) 30.86,106.93 30.86,105.79 arc(31.01,105.43) 31.37,105.28 32.36,105.28 arc(32.38,105.29) R22.1
  Top w0.5: 31.98,102.72 31.98,103.23 34.37,103.23 ; 33.63,102.78 33.63,105.5 ; 31.98,103.07 34.37,103.07 ; 34.39,102.72 34.39,103.38 ; 34.01,102.78 34.01,105.5 ; 34.37,105.05 31.98,105.05 31.98,105.56 34.34,105.56 ; 32.87,102.78 32.87,105.5 ; 34.37,102.72 31.98,102.72 ; 34.39,104.9 34.39,105.56 ; 34.39,102.78 34.39,105.5 ; 33.25,102.78 33.25,105.5 ; 31.98,105.26 34.34,105.26
  Top w3.5: 36.83,104.14 34.29,104.14
  Top w4.5: 39.88,100.46 39.88,101.09
  Top w5: 36.58,104.14 36.83,104.14 arc(38.99,103.25) 39.88,101.09 ; J6.1 27.94,12.15 arc(27.68,13.48) 26.92,14.61 arc(26.27,15.59) 26.03,16.75 26.03,75.57 arc(27.52,79.16) 31.11,80.65 55.5,80.65 arc(58.19,81.76) 59.31,84.46 59.31,92.08 ; 59.31,92.71 arc(58.19,95.4) 55.5,96.52 43.81,96.52 arc(41.03,97.67) 39.88,100.46
  Bottom w0.4: v1(49.17,101.22) C12.1
/Conversor/VLOAD/ILF-: length 90.1
  Top w0.5: v1(112.78,130.81) 119.63,130.81 arc(120.17,131.03) 120.4,131.57 120.4,140.72 arc(120.57,141.14) 121,141.32 C47.1
  Bottom w0.5: R50.1 58.29,118.98 58.29,125.6 arc(58.59,126.32) 59.31,126.62 68.2,126.62 arc(68.92,126.92) 69.22,127.64 69.22,129.2 arc(69.69,130.34) 70.82,130.81 v1(112.78,130.81)
  Bottom w2: J10.1 147.32,134.17
/Drivers y Optos//PWM3: length 60.4
  Top w0.25: P8.2 arc(98.42,80.64) 98.43,80.65
  Top w0.5: U9.1 94.47,74.17 arc(94.83,74.32) 94.98,74.68 94.98,80.01 ; P8.2 95.5,80.63 arc(95.13,80.48) 94.98,80.11 ; J11.73 115.88,60.78 arc(115.75,61.09) 115.44,61.21 107.06,61.21 arc(106.7,61.36) 106.55,61.72 106.55,80.14 arc(106.4,80.5) 106.05,80.65 98.43,80.65
/Drivers y Optos//PWM4: length 59.5
  Top w0.5: J11.24 110.18,58.48 arc(110.05,58.8) 109.73,58.93 104.78,58.93 arc(104.42,59.08) 104.27,59.44 104.27,72.52 arc(104.12,72.87) 103.77,73.01 P8.5 96.77,73.01 arc(96.13,72.88) 95.58,72.52 95.23,72.17 arc(94.64,71.77) 93.93,71.63 v1(87,71.63) ; U11.1 v1(87,88.27)
  Bottom w0.5: v1(87,71.63) v1(87,88.27)
/Drivers y Optos/PWM1: length 53.8
  Top w0.5: P8.4 104.54,75.55 arc(104.88,75.41) 105.03,75.06 105.03,60.2 arc(105.18,59.84) 105.54,59.69 111.63,59.69 arc(111.95,59.56) 112.08,59.24 J11.23 ; U8.1 v1(88.39,67.06)
  Bottom w0.5: P8.4 89.03,75.55 arc(88.59,75.37) 88.41,74.93 ; 88.39,74.93 v1(88.39,67.06)
/Drivers y Optos/PWM2: length 54
  Top w0.5: v1(92.98,78.09) 88.92,78.09 arc(88.55,78.24) 88.39,78.61 88.39,80.77 arc(88.24,81.13) 87.88,81.28 U10.1 ; J11.74 113.98,60.01 arc(113.85,60.32) 113.54,60.45 106.3,60.45 arc(105.94,60.6) 105.79,60.96 105.79,77.6 arc(105.65,77.95) 105.3,78.09 P8.3
  Bottom w0.5: P8.3 v1(92.98,78.09)
/Fuentes/extern +5VD: length 14.8
  Bottom w0.75: P2.1 140.57,11.42 arc(140.93,11.48) 141.22,11.68 arc(141.41,11.97) 141.48,12.3 141.48,21.23 arc(141.41,21.56) 141.22,21.84 arc(140.94,22.03) 140.61,22.1 P4.2
/Placa DSP/Socket Interfaces//SPI-STE: length 34.6
  Bottom w0.25: J11.89 116.56,37.47 arc(117.05,37.56) 117.47,37.85 arc(117.9,38.13) 118.39,38.23 119.53,38.23 arc(119.86,38.29) 120.14,38.48 arc(120.42,38.67) 120.76,38.74 140.97,38.74 arc(141.24,38.62) 141.35,38.35 141.35,33.2 arc(141.38,33.03) 141.48,32.89 arc(141.59,32.82) 141.72,32.79 P11.1
/Placa DSP/Socket Interfaces/ADCIN-A0: length 43.6
  Top w0.25: D9.2 122.56,98.53 arc(122.59,98.37) 122.68,98.22 arc(122.87,98.1) 123.08,98.06 v1(127,98.06) 130.19,98.06
  Bottom w0.25: 127.74,86.36 127.74,90.71 arc(127.64,91.17) 127.38,91.57 arc(127.1,91.99) 127,92.49 v1(127,98.06) C5.1 ; 127.74,86.36 123.32,86.36 arc(123.05,86.25) 122.94,85.98 122.94,81.79 arc(122.82,81.52) 122.56,81.41 117.98,81.41 arc(117.71,81.52) 117.6,81.79 117.6,82.8 arc(117.49,83.07) 117.22,83.19 J11.57 ; 127.74,86.36 127.74,83.83 arc(127.73,83.82) P9.2
/Placa DSP/Socket Interfaces/ADCIN-A1: length 17.4
  Bottom w0.25: P9.3 130.27,80.99 arc(130.24,80.87) 130.18,80.77 arc(130.03,80.68) 129.87,80.65 J11.59
/Placa DSP/Socket Interfaces/ADCIN-A2: length 22.1
  Bottom w0.25: P9.4 132.81,80.48 arc(132.78,80.36) 132.72,80.26 arc(132.53,80.14) 132.32,80.1 117.95,80.1 arc(117.7,80) 117.6,79.76 117.6,78.49 arc(117.49,78.22) 117.22,78.11 J11.61
/Placa DSP/Socket Interfaces/EMU0: length 28
  Top w0.25: P5.13 127.66,26.82 arc(127.62,27.02) 127.51,27.18 arc(127.37,27.27) 127.2,27.31 122.79,27.31 arc(122.46,27.24) 122.17,27.05 arc(121.99,26.77) 121.92,26.44 121.92,18.85 arc(121.89,18.68) 121.79,18.54 arc(121.65,18.45) 121.49,18.42 115.37,18.42 arc(115.2,18.45) 115.06,18.54 arc(114.97,18.68) 114.94,18.85 114.94,20.72 arc(114.87,21.05) 114.68,21.34 114.17,21.84 arc(114.03,22.06) 113.98,22.31 J11.100
/Placa DSP/Socket Interfaces/EMU1: length 27.6
  Top w0.25: J11.50 110.18,18.48 arc(110.23,18.24) 110.36,18.03 arc(110.64,17.85) 110.98,17.78 122.12,17.78 arc(122.29,17.81) 122.43,17.91 arc(122.52,18.05) 122.56,18.21 122.56,24.97 arc(122.59,25.13) 122.68,25.27 arc(122.8,25.35) 122.94,25.38 P5.14
/Placa DSP/Socket Interfaces/EPWM3A: length 28.1
  Top w0.5: J11.25 109.09,55.25 arc(108.82,55.36) 108.71,55.63 108.71,57.66 arc(108.56,58.02) 108.2,58.17 104.01,58.17 arc(103.65,58.31) 103.51,58.67 103.51,69.98 arc(103.36,70.33) 103.01,70.47 P8.6
/Placa DSP/Socket Interfaces/EPWM4A: length 24.9
  Top w0.5: J11.26 108.46,53.98 arc(108.1,54.12) 107.95,54.48 107.95,56.9 arc(107.8,57.26) 107.44,57.4 103.25,57.4 arc(102.89,57.55) 102.74,57.91 102.74,67.44 arc(102.59,67.8) 102.23,67.95 100.97,67.95 98.42,67.93
/Placa DSP/Socket Interfaces/GPIO-05: length 64.8
  Top w0.25: R32.1 151.77,83.36 arc(151.73,83.2) 151.64,83.06 arc(151.4,82.9) 151.11,82.84 SW1.2 SW1.2
  Bottom w0.25: SW1.2 137.05,82.84 arc(136.83,82.8) 136.65,82.68 arc(136.56,82.54) 136.53,82.37 136.53,56.95 arc(136.49,56.78) 136.4,56.64 arc(136.26,56.55) 136.09,56.52 119.36,56.52 arc(119.03,56.45) 118.75,56.26 118,55.51 arc(117.7,55.32) 117.35,55.25 J11.75
/Placa DSP/Socket Interfaces/GPIO-07: length 58.4
  Top w0.25: SW2.2 SW2.2 151.11,73.95 arc(151.4,74.01) 151.64,74.17 arc(151.73,74.31) 151.77,74.47 R34.1
  Bottom w0.25: SW2.2 137.68,73.95 arc(137.47,73.91) 137.29,73.79 arc(137.19,73.65) 137.16,73.48 137.16,56.39 arc(137.05,56.12) 136.78,56.01 119.61,56.01 arc(119.28,55.94) 119,55.75 117.67,54.42 arc(117.17,54.09) 116.59,53.98 J11.76
/Placa DSP/Socket Interfaces/GPIO-09: length 51.7
  Top w0.25: R36.1 151.77,65.58 arc(151.73,65.42) 151.64,65.28 arc(151.4,65.12) 151.11,65.06 SW3.2 SW3.2
  Bottom w0.25: J11.78 116.84,51.44 arc(117.11,51.55) 117.22,51.82 117.22,52.83 arc(117.29,53.18) 117.49,53.48 119.25,55.25 arc(119.53,55.43) 119.87,55.5 137.29,55.5 arc(137.65,55.65) 137.8,56.01 137.8,64.59 arc(137.83,64.76) 137.92,64.9 arc(138.1,65.02) 138.32,65.06 SW3.2
/Placa DSP/Socket Interfaces/GPIO-11: length 42.3
  Top w0.25: SW4.2 SW4.2 151.11,56.17 arc(151.4,56.23) 151.64,56.39 arc(151.73,56.53) 151.77,56.69 R38.1
  Bottom w0.25: SW4.2 138.72,56.17 arc(138.43,56.05) 138.3,55.75 138.3,55.5 arc(138.15,55.14) 137.8,54.99 120.12,54.99 arc(119.79,54.92) 119.51,54.74 118,53.23 arc(117.8,52.93) 117.73,52.58 117.73,50.55 arc(117.62,50.28) 117.35,50.17 J11.79
/Placa DSP/Socket Interfaces/GPIO-13: length 77.7
  Top w0.25: J11.83 117.73,45.09 arc(118,45.2) 118.11,45.47 118.11,84.66 arc(118.08,84.82) 117.98,84.96 arc(117.84,85.06) 117.68,85.09 107.7,85.09 arc(107.52,85.16) 107.44,85.34 107.44,95.63 arc(107.33,95.9) 107.06,96.01 104.39,96.01 arc(104.21,96.09) 104.14,96.27 104.14,103.51 arc(103.95,103.95) 103.51,104.14 P10.3
/Placa DSP/Socket Interfaces/GPIO-14: length 84.6
  Top w0.25: P10.2 104.14,106.68 arc(104.5,106.53) 104.65,106.17 104.65,96.9 arc(104.76,96.63) 105.03,96.52 107.57,96.52 arc(107.93,96.37) 108.08,96.01 108.08,85.98 arc(108.15,85.8) 108.33,85.73 118.31,85.73 arc(118.48,85.69) 118.62,85.6 arc(118.71,85.46) 118.75,85.29 118.75,44.2 arc(118.63,43.93) 118.36,43.82 J11.84
